# KiCad board FlightComputer.kicad_pcb (continued)
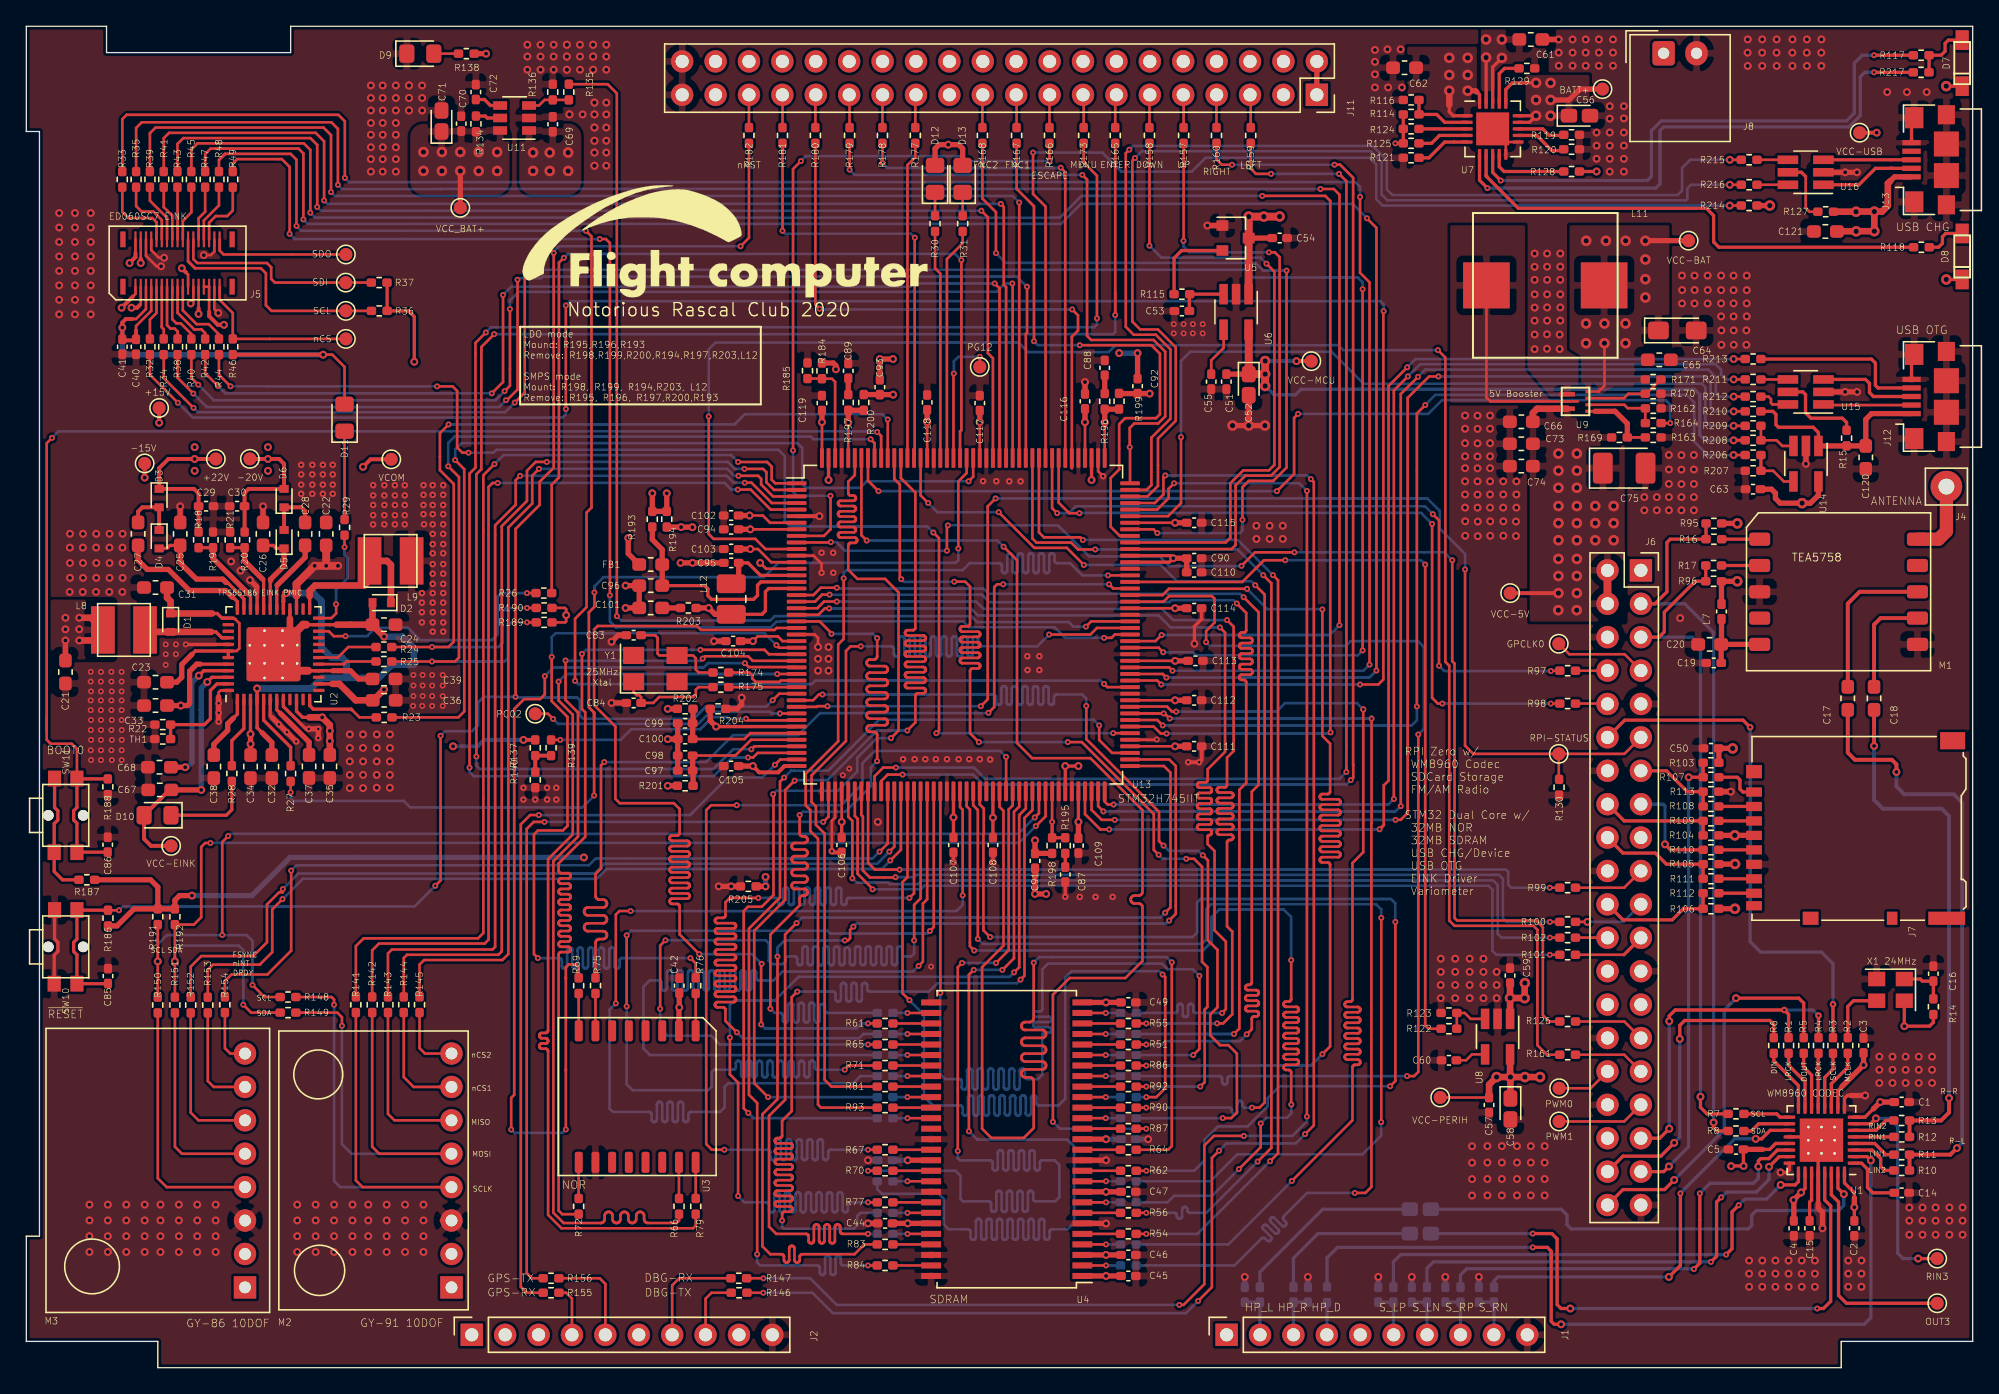
[diagram p0: board, top side]
## Routing (per net, layer and track width the routed paths; a pad name or vN(x,y) marks a point on that pad's centre or on a via; arc(x,y) is an arc through that point) (continued)
Net-(J6-Pad24): length 2.4
  Top w0.2: R102.2 120.22,32.7 J6.24
Net-(J6-Pad29): length 5.5
  Top w0.2: R126.1 121.52,26.33 J6.29
Net-(J6-Pad31): length 5.5
  Top w0.2: R161.1 121.5,23.8 J6.31
Net-(J6-Pad32): length 4.2
  Top w0.2: TP15.1 118.95,21.25 J6.32
Net-(J6-Pad33): length 6.7
  Top w0.2: J6.33 121.5,18.72 TP24.1
Net-(J7-Pad1): length 3.6
  Top w0.25: R107.1 130.1,44.9 130.3,44.7 130.3,44 130.53,43.77 J7.1
Net-(J7-Pad2): length 2.7
  Top w0.25: R108.1 131.37,42.68 J7.2 ; 128.61,42.67 128.59,42.7
Net-(J7-Pad3): length 2.7
  Top w0.25: R109.1 131.37,41.58 J7.3
Net-(J7-Pad5): length 2.7
  Top w0.25: R110.1 131.37,39.38 J7.5
Net-(J7-Pad7): length 2.7
  Top w0.25: R111.1 131.37,37.18 J7.7
Net-(J7-Pad8): length 2.7
  Top w0.25: R112.1 131.37,36.08 J7.8
Net-(J11-Pad25): length 2.5
  Top w0.2: R177.2 67.6,96.74 J11.25
Net-(J11-Pad27): length 2.5
  Top w0.2: J11.27 65.1,96.78 R178.2
Net-(J11-Pad29): length 2.5
  Top w0.2: R179.2 62.6,96.76 J11.29
Net-(J11-Pad31): length 2.5
  Top w0.2: R180.2 60,96.76 J11.31
Net-(J11-Pad33): length 2.5
  Top w0.2: R181.2 57.5,96.78 J11.33
Net-(J11-Pad35): length 2.5
  Top w0.2: R182.2 J11.35
Net-(J12-Pad2): length 6.7
  Top w0.2: U15.1 136.7,73.2 J12.2
Net-(J12-Pad3): length 7.6
  Top w0.25: J12.3 140.45,73.85 140.15,74.15 140.15,74.85 139.85,75.15 U15.3
Net-(J12-Pad4): length 13.4
  Top w0.25: J12.4 140.8,74.5 140.6,74.7 140.6,76.4 140.3,76.7 R213.2
Net-(J13-Pad2): length 7.4
  Top w0.25: 141.9,91.2 140.6,91.2 139.35,89.95 U16.1 ; 141.9,91.2 J13.2 ; 141.9,91.2 141.7,91.2
Net-(J13-Pad3): length 6.7
  Top w0.25: J13.3 U16.3
Net-(L3-Pad1): length 38.2
  Top w0.25: v1(129.25,8.6) 129.7,9.05 129.7,11.85 v1(130.2,12.35) ; U1.25 134.75,14.15 134.5,13.9 v2(133.4,13.9)
  Bottom w0.25: v1(130.2,12.35) 130.68,12.83 132.32,12.83 v2(133.4,13.9) 133,13.5 ; v1(129.25,8.6) 104.5,8.6 103.95,8.05 L3.1 ; 103.92,6.17 103.95,6.14
Net-(L4-Pad1): length 35.5
  Top w0.25: v1(128.88,12.95) 128.53,12.6 128.53,8.47 v1(128.1,8.05) ; U1.23 133.29,16.05 v2(132.51,15.28)
  Bottom w0.25: v1(128.88,12.95) 129.28,13.35 131.55,13.35 132.51,14.31 v2(132.51,15.28) ; v1(128.1,8.05) 107,8.05 106.5,7.55 L4.1
Net-(L5-Pad1): length 33.8
  Top w0.25: v2(131.7,15.3) 131.7,15.72 131.88,15.9 132.5,15.9 133.15,16.55 U1.22 ; 126.77,7.53 v1(126.8,7.5) 127.25,7.95 v1(127.25,13.25)
  Bottom w0.25: v1(127.25,13.25) 128.03,14.03 131.32,14.03 131.7,14.4 v2(131.7,15.3) ; L5.1 109.05,7.05 109.53,7.53 126.77,7.53 v1(126.8,7.5)
Net-(L6-Pad1): length 31.1
  Top w0.25: U1.19 132.6,18.05 131.95,17.4 v2(131.5,17.4) ; v1(125.78,13.25) 125.78,7.78 v2(124.9,6.9)
  Bottom w0.25: 125.99,13.49 129.9,17.4 v2(131.5,17.4) ; 125.99,13.49 125.88,13.38 ; 125.99,13.49 125.99,13.46 v1(125.78,13.25) ; L6.1 111.6,6.6 111.9,6.9 v2(124.9,6.9)
Net-(M1-Pad1): length 2.9
  Top w0.25: R16.1 M1.1
Net-(M1-Pad2): length 2.9
  Top w0.25: R17.1 M1.2
Net-(M2-Pad4): length 46.1
  Top w0.2: M2.4 25.57,13.73 25.06,14.24 R141.1 ; R148.2 23.21,28.19 23.4,28 v1(23.4,27.6)
  Bottom w0.2: v1(23.4,27.6) 23.4,14.2 23.87,13.73 M2.4
Net-(M2-Pad5): length 38.6
  Top w0.2: 31.57,16.27 31.83,16.27 ; 31.57,16.27 26.83,16.27 26.3,16.8 R142.1 ; 31.57,16.27 M2.5 ; R149.2 23.65,27 24,26.65 v1(24,26)
  Bottom w0.2: M2.5 24.73,16.27 24,17 v1(24,26)
Net-(M2-Pad6): length 13.7
  Top w0.2: R143.1 27.5,19.3 27.99,18.81 31.54,18.81 ; 31.68,18.81 M2.6 31.54,18.81 ; 31.68,18.81 31.83,18.81 ; 31.68,18.81 31.54,18.81
Net-(M2-Pad7): length 10.1
  Top w0.2: 31.38,21.35 M2.7 31.57,21.35 ; 31.38,21.35 31.57,21.35 ; 31.38,21.35 29.45,21.35 28.7,22.1 R144.1 ; 31.57,21.35 31.83,21.35
Net-(M2-Pad8): length 5.5
  Top w0.2: M2.8 31.59,23.89 ; 31.59,23.89 31.83,23.89 ; 31.59,23.89 30.31,23.89 29.9,24.3 R145.1
Net-(M3-Pad4): length 19.5
  Top w0.2: M3.4 10.67,13.73 10,14.4 R150.1
Net-(M3-Pad5): length 15.7
  Top w0.2: R151.1 11.3,16.8 11.83,16.27 M3.5
Net-(M3-Pad6): length 12
  Top w0.2: R152.1 12.5,19.4 13.09,18.81 M3.6
Net-(M3-Pad7): length 8.2
  Top w0.2: M3.7 14.25,21.35 13.8,21.8 R153.1
Net-(M3-Pad8): length 4.4
  Top w0.2: R154.1 15.1,24.3 15.51,23.89 M3.8
Net-(R1-Pad1): length 4.7
  Top w0.25: U1.15 135.25,21.75 134,23 R1.1
Net-(R2-Pad1): length 4.7
  Top w0.25: R2.1 138.5,22.84 137.25,21.59 U1.11
Net-(R3-Pad1): length 4.4
  Top w0.25: U1.12 136.75,22.07 137.38,22.69 R3.1
Net-(R4-Pad1): length 4.2
  Top w0.25: 136.25,23.99 136.28,24.02 ; U1.13 136.25,23.88 R4.1
Net-(R5-Pad1): length 4.4
  Top w0.25: U1.14 135.75,22.25 135.15,22.85 R5.1
Net-(R6-Pad1): length 4.9
  Top w0.25: R6.1 132.88,23.33 134.75,21.45 U1.16
Net-(R7-Pad1): length 3.7
  Top w0.25: 130.49,19.3 133.1,19.3 133.35,19.05 U1.17
Net-(R8-Pad1): length 3.7
  Top w0.25: R8.1 131.17,18 131.72,18.55 U1.18
Net-(R9-Pad1): length 63.6
  Top w0.25: 115.95,8.85 115.95,8.29 ; 115.95,8.29 115.95,8.86 115.66,9.15 v1(114.55,9.15) ; 115.95,8.29 115.95,3.53 116.17,3.3 v2(116.7,3.3) ; v2(140.26,15.76) 139.97,16.05 U1.2
  Bottom w0.25: v2(140.26,15.76) 140.26,3.81 139.75,3.3 v2(116.7,3.3) ; R9.1 98.9,8.35 99.7,9.15 v1(114.55,9.15) ; 98.84,6.14 98.85,6.14
Net-(R10-Pad1): length 4.1
  Top w0.25: U1.3 140.35,16.55 141,15.9 141,15.3 141.3,15 R10.1
Net-(R11-Pad1): length 3.4
  Top w0.25: U1.4 140.55,17.05 141.4,16.2 R11.1
Net-(R12-Pad1): length 3.1
  Top w0.25: 142.06,17.55 142.12,17.5 ; U1.5 R12.1
Net-(R13-Pad1): length 3.4
  Top w0.25: U1.6 140.65,18.05 141.4,18.8 R13.1
Net-(R15-Pad2): length 6.8
  Top w0.25: U15.5 135.09,74.2 135.29,74 135.29,72.61 135.7,72.2 138.09,72.2 138.41,71.88 R15.2
Net-(R18-Pad2): length 11.6
  Top w0.25: U2.34 17.05,58.7 15.16,60.59 15.15,60.59 14.2,61.54 R19.2 R18.2
  Top w0.4: 16.92,58.82 14.2,61.54 R19.2
Net-(R20-Pad1): length 9.3
  Top w0.25: R21.1 R20.1 16.6,61.4 18.05,59.95 U2.32
  Top w0.4: 17.97,59.95 16.6,61.33 R20.1
Net-(R22-Pad2): length 8
  Top w0.25: U2.47 14.5,52 14,51.5 14,49.35 13.55,48.9 R22.2 TH1.1
Net-(R23-Pad2): length 5.9
  Top w0.2: R23.2 25.33,49.45 24.78,50
  Top w0.25: 24.78,50 24.7,50.08 21.82,50.08 21.55,50.35 U2.12
Net-(R24-Pad2): length 4.7
  Top w0.2: U2.18 23.68,54 24.48,54.8 R24.2
Net-(R25-Pad2): length 4.4
  Top w0.2: R25.2 24.35,53.7 24.15,53.5 U2.17
Net-(R26-Pad2): length 20.5
  Top w0.2: v1(38.08,58.9) R26.2 ; v1(24.27,55.62) 23.38,55.62 23,56 U2.22
  Bottom w0.2: v1(24.27,55.62) 25.91,55.62 26.55,56.26 29.02,56.26 29.95,55.33 35.4,55.33 35.82,55.75 35.82,58.62 36.1,58.9 v1(38.08,58.9)
Net-(R27-Pad2): length 5.9
  Top w0.25: R27.2 20.1,47.18 18.05,49.24 U2.5
Net-(R28-Pad1): length 5.4
  Top w0.25: U2.2 16.55,48.6 15.63,47.69 R28.1
Net-(R29-Pad1): length 7.9
  Top w0.2: U2.24 23.2,57 23.56,57.36 23.56,58.04 v1(23.55,58.05) ; v1(24.2,62.4) R29.1
  Bottom w0.2: v1(23.55,58.05) 23.55,59.15 24.42,60.02 24.42,61.58 24.2,61.8 v1(24.2,62.4)
Net-(R50-Pad2): length 2.9
  Top w0.2: U4.2 v1(82.1,7.78)
  Bottom w0.2: R50.2 v1(82.1,7.78)
Net-(R51-Pad1): length 2.9
  Top w0.2: R51.1 U4.23
Net-(R52-Pad2): length 2.9
  Top w0.2: U4.4 v1(82.1,9.38)
  Bottom w0.2: R52.2 v1(82.1,9.38)
Net-(R53-Pad1): length 2.9
  Top w0.2: U4.24 v1(82.08,25.38)
  Bottom w0.2: R53.1 v1(82.08,25.38)
Net-(R54-Pad2): length 2.9
  Top w0.2: R54.2 U4.5
Net-(R55-Pad1): length 2.9
  Top w0.2: R55.1 U4.25
Net-(R56-Pad2): length 2.9
  Top w0.2: R56.2 U4.7
Net-(R57-Pad1): length 3
  Top w0.2: U4.26 82.1,26.97 v1(82.08,26.97)
  Bottom w0.2: R57.1 v1(82.08,26.97)
Net-(R58-Pad2): length 2.9
  Top w0.2: U4.8 v1(82.1,12.58)
  Bottom w0.2: R58.2 v1(82.1,12.58)
Net-(R59-Pad1): length 2.9
  Top w0.2: U4.29 v1(67,26.97)
  Bottom w0.2: R59.1 v1(67,26.97)
Net-(R60-Pad2): length 2.9
  Top w0.2: U4.10 v1(82.1,14.17)
  Bottom w0.2: R60.2 v1(82.1,14.17)
Net-(R61-Pad1): length 2.9
  Top w0.2: R61.1 U4.30
Net-(R62-Pad2): length 2.9
  Top w0.2: R62.2 U4.11
Net-(R63-Pad1): length 2.9
  Top w0.2: U4.31 v1(67,25.38)
  Bottom w0.2: R63.1 v1(67,25.38)
Net-(R64-Pad2): length 2.9
  Top w0.2: R64.2 U4.13
Net-(R65-Pad1): length 2.9
  Top w0.2: R65.1 U4.32
Net-(R66-Pad1): length 2.8
  Top w0.2: 49.63,15.61 U3.15 49.62,12.87 R66.1
Net-(R67-Pad2): length 2.9
  Top w0.2: R67.2 U4.42
Net-(R68-Pad1): length 2.9
  Top w0.2: U4.33 v1(67,23.78)
  Bottom w0.2: R68.1 v1(67,23.78)
Net-(R69-Pad1): length 2.8
  Top w0.2: R69.1 42,25.62 U3.8 42.01,25.62
Net-(R70-Pad2): length 2.9
  Top w0.2: R70.2 U4.44
Net-(R71-Pad1): length 2.9
  Top w0.2: R71.1 U4.34
Net-(R72-Pad1): length 2.7
  Top w0.2: R72.1 42,15.61 U3.9
Net-(R73-Pad2): length 2.9
  Top w0.2: U4.45 v1(67,14.17)
  Bottom w0.2: R73.2 v1(67,14.17)
Net-(R74-Pad1): length 2.9
  Top w0.2: U4.22 v1(82.08,23.78)
  Bottom w0.2: R74.1 v1(82.08,23.78)
Net-(R75-Pad2): length 2.9
  Top w0.2: 43.28,25.62 U3.7 43.27,28.45 R75.2
Net-(R76-Pad1): length 2.8
  Top w0.2: R76.1 50.9,25.62 U3.1
Net-(R77-Pad2): length 2.9
  Top w0.2: R77.2 U4.47
Net-(R78-Pad1): length 2.9
  Top w0.2: U4.35 v1(67,22.17)
  Bottom w0.2: R78.1 v1(67,22.17)
Net-(R79-Pad2): length 2.8
  Top w0.2: R79.2 50.9,15.61 U3.16 ; 50.9,12.64 50.9,12.64
Net-(R80-Pad2): length 2.9
  Top w0.2: U4.48 v1(67,11.78)
  Bottom w0.2: R80.2 v1(67,11.78)
Net-(R81-Pad1): length 2.9
  Top w0.2: U4.36 R81.1
Net-(R82-Pad2): length 2.9
  Top w0.2: U4.50 v1(67,10.17)
  Bottom w0.2: R82.2 v1(67,10.17)
Net-(R83-Pad2): length 2.9
  Top w0.2: R83.2 U4.51
Net-(R84-Pad2): length 2.9
  Top w0.2: R84.2 U4.53
Net-(R85-Pad1): length 2.9
  Top w0.2: U4.20 v1(82.08,22.17)
  Bottom w0.2: R85.1 v1(82.08,22.17)
Net-(R86-Pad1): length 2.9
  Top w0.2: R86.1 U4.21
Net-(R87-Pad1): length 2.9
  Top w0.2: R87.1 U4.15
Net-(R88-Pad1): length 2.9
  Top w0.2: U4.39 v1(67,18.97)
  Bottom w0.2: R88.1 v1(67,18.97)
Net-(R89-Pad1): length 2.9
  Top w0.2: U4.16 v1(82.08,18.97)
  Bottom w0.2: R89.1 v1(82.08,18.97)
Net-(R90-Pad1): length 2.9
  Top w0.2: R90.1 U4.17
Net-(R91-Pad1): length 2.9
  Top w0.2: U4.18 v1(82.08,20.58)
  Bottom w0.2: R91.1 v1(82.08,20.58)
Net-(R92-Pad1): length 2.9
  Top w0.2: R92.1 U4.19
Net-(R93-Pad1): length 2.9
  Top w0.2: U4.38 R93.1
Net-(R94-Pad1): length 2.9
  Top w0.2: U4.37 v1(67,20.58)
  Bottom w0.2: R94.1 v1(67,20.58)
Net-(R114-Pad2): length 5
  Top w0.25: U7.2 107.85,94.7 107.25,95.3 R114.2 R116.1
Net-(R115-Pad2): length 6.7
  Top w0.25: R115.2 87.27,84.36 87.27,84.36 87.85,84.95 U5.2
Net-(R117-Pad2): length 41.8
  Top w0.25: v1(140.5,99.8) R117.2 ; v1(112.11,90.27) 111.5,90.89 U7.8
  Bottom w0.25: v1(140.5,99.8) 139.6,99.8 139,99.2 139,95.4 138.4,94.8 124.31,94.8 123.57,94.05 123.57,90.58 123.26,90.27 v1(112.11,90.27)
Net-(R118-Pad2): length 37.6
  Top w0.25: U7.7 111,90.67 ; 111,90.67 111.05,90.62 ; 111,90.67 111,90.61 113.45,88.16 127.75,88.16 128.3,87.61 128.3,85.6 128.7,85.2 R118.2
Net-(R119-Pad2): length 3.7
  Top w0.25: 116.9,93.7 115.8,93.7 115.3,94.2 U7.13
Net-(R120-Pad2): length 3.9
  Top w0.25: U7.12 114.85,93.7 116,92.55 116.9,92.55
Net-(R121-Pad2): length 4.2
  Top w0.25: R121.2 106.65,92 107.85,93.2 U7.5
Net-(R122-Pad1): length 3.5
  Top w0.2: U8.3 109.83,26.53 109.38,26.97 R123.2 R122.1
Net-(R124-Pad1): length 3.7
  Top w0.25: R124.1 U7.3
Net-(R125-Pad1): length 3.9
  Top w0.25: R125.1 106.85,93.1 107.45,93.7 U7.4
Net-(R127-Pad2): length 4.9
  Top w0.2: R127.2 135.59,87.9 135.3,88.19 135.3,90.58
  Top w0.25: U16.5 134.98,90.9 135.3,90.58
Net-(R128-Pad1): length 6
  Top w0.25: U7.9 112,91.32 112.36,90.96 R128.1
Net-(R129-Pad1): length 3.9
  Top w0.25: U7.17 112,98.4 112.4,98.8 R129.1
Net-(R134-Pad1): length 1.9
  Top w0.25: R134.1 34.9,95.18 35.05,95.03 U11.5
Net-(R135-Pad2): length 3.2
  Top w0.2: U11.3 38.98,95.98 39.4,96.4 R136.2 R135.2
Net-(R137-Pad2): length 2.4
  Top w0.3: R139.2 R137.2 R140.2
Net-(R162-Pad1): length 5.6
  Top w0.2: 123.1,71.83 123.1,72.94 R162.1 123.1,72.96 121.77,72.96 121.5,73.22 118.78,73.22
Net-(R163-Pad2): length 5.8
  Top w0.2: R169.2 R163.2 ; 118.78,72.72 119.27,72.72
  Top w0.4: R163.2 121.74,71.8 120.81,72.72 119.27,72.72
Net-(R170-Pad2): length 6.1
  Top w0.2: 123.07,74.09 R170.2 ; R170.2 121.82,74.06 121.48,73.72 118.78,73.72 ; R170.2 123.19,74.06 124.27,75.14
Net-(R174-Pad2): length 5.6
  Top w0.2: U13.31 57.38,52.25 57.28,52.15 55.46,52.15 55.2,52.41 55.2,52.64 54.98,52.86 R174.2
Net-(R175-Pad2): length 5.2
  Top w0.2: U13.32 R175.2
Net-(R184-Pad2): length 8
  Top w0.2: U13.174 61.5,74.96 61.26,75.2 R184.2 60.49,75.21 R185.2
Net-(R187-Pad1): length 9.4
  Top w0.25: SW11.2 2.15,42.6 2.4,42.35 2.4,41.65 2.12,41.37 SW11.2 2.12,37.73 2.75,37.1 R187.1
Net-(R206-Pad2): length 4
  Top w0.2: R207.1 132.83,68.2 133.64,67.39 U14.4
  Top w0.25: R206.2 R207.1
Net-(R208-Pad1): length 3.8
  Top w0.2: R209.2 R208.1 133.09,70.52 133.52,70.09 U14.3
Net-(R211-Pad2): length 2.1
  Top w0.2: U15.4 R211.2
Net-(R212-Pad2): length 2.5
  Top w0.2: U15.6 132.77,73.25 132.66,73.36 132.66,73.66 132.48,73.84 R212.2
Net-(R215-Pad2): length 2.4
  Top w0.2: R215.2 U16.4
Net-(R216-Pad2): length 2.4
  Top w0.2: R216.2 U16.6
Net-(R217-Pad2): length 42.9
  Top w0.25: v1(140.5,98.5) R217.2 ; v1(111.1,89.7) 110.5,90.3 U7.6
  Bottom w0.25: v1(111.1,89.7) 123.9,89.7 124.22,90.02 124.22,94.07 124.5,94.35 138.59,94.35 139.45,95.21 139.45,98.15 139.8,98.5 v1(140.5,98.5)
Net-(TP1-Pad1): length 17.3
  Top w0.25: TP1.1 138.4,4.9 137.8,5.5 137.8,12.6 137.25,13.15 U1.30
Net-(TP2-Pad1): length 16.7
  Top w0.25: v2(143.85,8.3) TP2.1 ; v2(140.64,18.96) 140.23,18.55 U1.7
  Bottom w0.25: 140.68,19 v2(140.64,18.96) 141.69,18.96 142.3,18.35 142.3,8.7 142.7,8.3 v2(143.85,8.3)
Net-(TP13-Pad1): length 20.6
  Top w0.2: U13.36 v1(57.3,49.75) ; v1(40.06,49.33) 39.66,49.73 TP13.1
  Bottom w0.2: v1(57.3,49.75) 56.67,49.75 56.54,49.88 52.01,49.88 51.08,48.95 40.44,48.95 v1(40.06,49.33)
Net-(TP25-Pad1): length 10.2
  Top w0.2: v1(72.5,76.87) TP25.1 ; v1(70.53,75.6) 70.5,75.58 U13.156
  Bottom w0.2: v1(70.53,75.6) 70.53,76.52 70.88,76.87 v1(72.5,76.87)

## Copper pours and planes (outline as drawn; the poured copper is in the pictures)
+15V on In2.Cu: 9.62,83.03 10.53,83 10.53,63 9.65,61.8 9.65,51.02 12.6,51.03 12.6,49.67 8.85,49.67 8.85,62.08 9.62,62.92 9.62,82.1 7.05,82.1 7.05,84.67 9.62,84.67
+22V on In2.Cu: 13.65,79.62 14.32,79.62 14.32,67.5 11.53,67.5 11.53,71.17 13.4,71.17 13.4,78.8 12.62,78.8 12.62,80.53 13.62,80.53
-15V on In2.Cu: 9.53,63.08 8.75,62.52 8.78,48.85 9.78,47.77 16.38,47.78 16.38,48.75 17.75,48.75 17.75,46.8 9.43,46.8 7.85,48.48 7.85,62.92 8.68,63.45 8.72,79.55 6.6,79.55 6.6,81.17 9.53,81.17
-20V on In2.Cu: 17.2,79.72 17.2,71.2 19.45,71.2 19.45,67.5 16.27,67.5 16.27,78.58 14.32,78.58 14.32,79.72
/MCU/MCU_POWER/VDDLDO on In2.Cu: 90.75,66.25 81.3,66.25 81.3,44.8 77.6,44.8 77.6,66.3 59.7,66.3 59.7,68.8 88.9,68.8 88.9,76.5 49.5,76.5 49.5,65.6 46.75,65.6 46.75,78.25 90.75,78.25
/MCU/MCU_POWER/VSSA on In1.Cu: 53.6,43.2 46.5,43.2 46.5,51.3 52.6,51.3 52.6,49.8 53.6,49.8
GND on Top: 152.4,-12.3 -12.7,-12.3 -12.7,114.7 152.4,114.7
GND on In1.Cu: 165.1,-7.22 -25.4,-7.22 -25.4,116.73 165.1,116.73
GNDS on In1.Cu: 86.1,76 57.3,76 57.3,37.2 78.2,37.2 78.2,34.8 54.9,34.8 54.9,55.5 53.9,56.5 43,56.5 43,62.25 54.7,62.25 54.7,78.3 86.1,78.3
VCC_3V3 on In2.Cu: 156,-5 86.7,-5 86.75,8.75 136.5,8.8 136.5,21.3 124.1,21.3 121.5,23.9 121.5,62.4 124.3,64.8 156.1,64.8
VCC_5V on Top: 117.92,73.11 117.92,71.68 118.29,71.28 121.54,71.28 121.54,66.02 121.55,56.73 114.32,56.73 114.32,73.11
VCC_5V on In2.Cu: 159.96,-1.39 116.3,-1.47 116.3,54.52 107.23,54.53 107.2,70.75 159.55,70.75
VCC_BAT on Top: 110.3,95 105,95 105,100.45 110.3,100.45
VCC_BAT on Top: 124.93,77.53 124.15,77.53 124.15,75.78 125.11,75.78 125.11,74.6 120.69,74.6 119.72,73.99 118.22,74 118.22,76.92 117.35,77.47 117.35,86.87 124.93,86.87
VCC_BAT on Top: 42.2,89.19 37.48,89.19 37.48,94.61 42.2,94.61
VCC_BAT on In2.Cu: 36.8,104.7 162.5,104.8 162.5,71.2 162.4,25.3 97.5,25.3 97.4,80.2 91.1,80.2 91.1,93.9 99.9,93.9 99.9,99.4 47.1,99.4 47.1,85.7 36.8,85.7
VCC_BAT+ on Top: 6.73,53.85 1.83,53.85 1.83,58.41 6.73,58.4
VCC_BAT+ on Top: 36.74,89.19 29.19,89.19 29.19,94.58 36.74,94.58
VCC_BAT+ on Top: 24.25,59.92 21.4,59.92 21.4,61.65 24.25,61.65
VCC_BAT+ on In2.Cu: 36.75,-5.9 -2.6,-5.9 -2.75,106.25 36.8,106.3
VCC_MCU on In2.Cu: 167,-19 -17,-19 -17,122 167,122
VCC_PERIH on In2.Cu: 19.8,42.6 37.3,42.6 42.5,35.45 118.5,35.6 118.5,-3.4 31.25,-3.5 31.25,2.92 34.7,5.67 34.7,38 8.2,38 8.2,46.8 19.8,46.8
VCC_USB on Top: 115.55,98.2 111.9,98.2 111.9,97.08 110.6,97.06 110.6,102.89 115.55,102.9
VCC_USB on In2.Cu: 153.2,80.7 131.41,80.66 131.43,86.52 110.5,86.5 110.5,92.5 103.6,92.5 103.6,93.7 110.5,93.7 110.5,106.95 153.2,106.9
+BATT on Top: 118.85,96.2 118.1,96.2 118.1,94.4 114,94.4 114,98.3 118.85,98.3
+BATT on In2.Cu: 130.5,94.3 114,94.4 114,110.2 130.5,110.1
/EINK-PMIC/VN on Bottom: 30.3,53.1 28.59,53.1 28.59,54.46 30.3,54.46
/EINK-PMIC/VN on Bottom: 25.22,51.8 23.45,51.8 23.45,53.2 25.22,53.2
/MCU/MCU_POWER/SMPS_OUT on In2.Cu: 87.5,72.5 54.25,72.5 54.25,41 78.1,41 78.1,39.6 51.25,39.6 51.25,62.8 46.75,62.8 46.75,65 51.25,65 51.25,75.25 87.5,75.25
/MCU/MCU_POWER/VCAP on In1.Cu: 85.5,39 75.5,39 75.5,42.5 82.5,42.5 82.5,70.5 60,70.5 60,74 85.5,74
/Power/SW on Top: 113.96,75.85 115.84,73.61 118.07,73.61 118.07,73.37 108.27,73.37 108.27,86.87 113.96,86.87

## Text on the board
B.SilkS: SDIO CLK | SDIO DAT2 | GND | 3V3 | I2C SDA | I2C SCL | SDIO DAT3 | EINK MOSI | EINK MISO | EINK SCLK | I2S LRCK | 5V | UART TX | UART RX | I2S_SCLK | SDIO CMD | SDIO DAT0 | SDIO DAT1 | EINK nCS | I2S DIN | I2S DOUT | nRST | F2 | F1 | ESC | MENU | ENTER | DOWN | UP | RIGHT | LEFT | EINK-DISPLAY | EINK-OUTLINE | G-RX | G-TX | D-RX | D-TX | HP_L | HP_R | HP_D | S_LP | S_LN | S_RP | S_RN
F.SilkS: SCL | SDA | nINT | DRDY | FSYNC | TPS65186 EINK PMIC | MISO | nCS2 | nCS1 | MOSI | SCLK | RIN2 | RIN1 | LIN2 | LIN1 | R-R | R-L | DIN | LRCK | DOUT | MCLK | LDO mode / Mound: R195,R196,R193 / Remove: R198,R199,R200,R194,R197,R203,L12 / SMPS mode / Mount: R198, R199, R194,R203, L12 / Remove: R195, R196, R197,R200,R193 | -15V | ED060SC7 EINK | +15V | VCC-EINK | +22V | -20V | SDI | SDO | nCS | VCOM | VCC_BAT+ | PC02 | 25MHz / Xtal | nRST | PG12 | FNC2 | FNC1 | ESCAPE | MENU | ENTER | DOWN | UP | RIGHT | LEFT | VCC-MCU | VCC-PERIH | VCC-5V | 5V Booster | GPCLK0 | PWM0 | RPI-STATUS | PWM1 | BATT+ | VCC-BAT | WM8960 CODEC | VCC-USB | 24MHz | RIN3 | OUT3 | RPI Zero w/ / WM8960 Codec / SDCard Storage / FM/AM Radio / STM32 Dual Core w/ / 32MB NOR / 32MB SDRAM / USB CHG/Device / USB OTG / EINK Driver / Variometer | BOOT0 | ~{RESET} | GY-86 10DOF | GY-91 10DOF | GPS-TX | GPS-RX | NOR | DBG-TX | DBG-RX | SDRAM | STM32H745IIT | HP_L | HP_R | HP_D | S_LP | S_LN | S_RP | S_RN | ANTENNA | USB OTG | USB CHG | Notorious Rascal Club 2020
